# Altium PCB Shuttler_AFE.PcbDoc (part 2 of 5)
Units mil, origin at the board's own origin, x right, y up, seen from the top; angles counter-clockwise.
Board outline 3291.94 x 4295.88 mil, 4 copper layers (TOP, L2, L3, BOTTOM), stack 65.354 mil thick; 521 components, 367 nets, 1536 pads, 871 vias.
Unrouted connection lines stored in the file: 1.
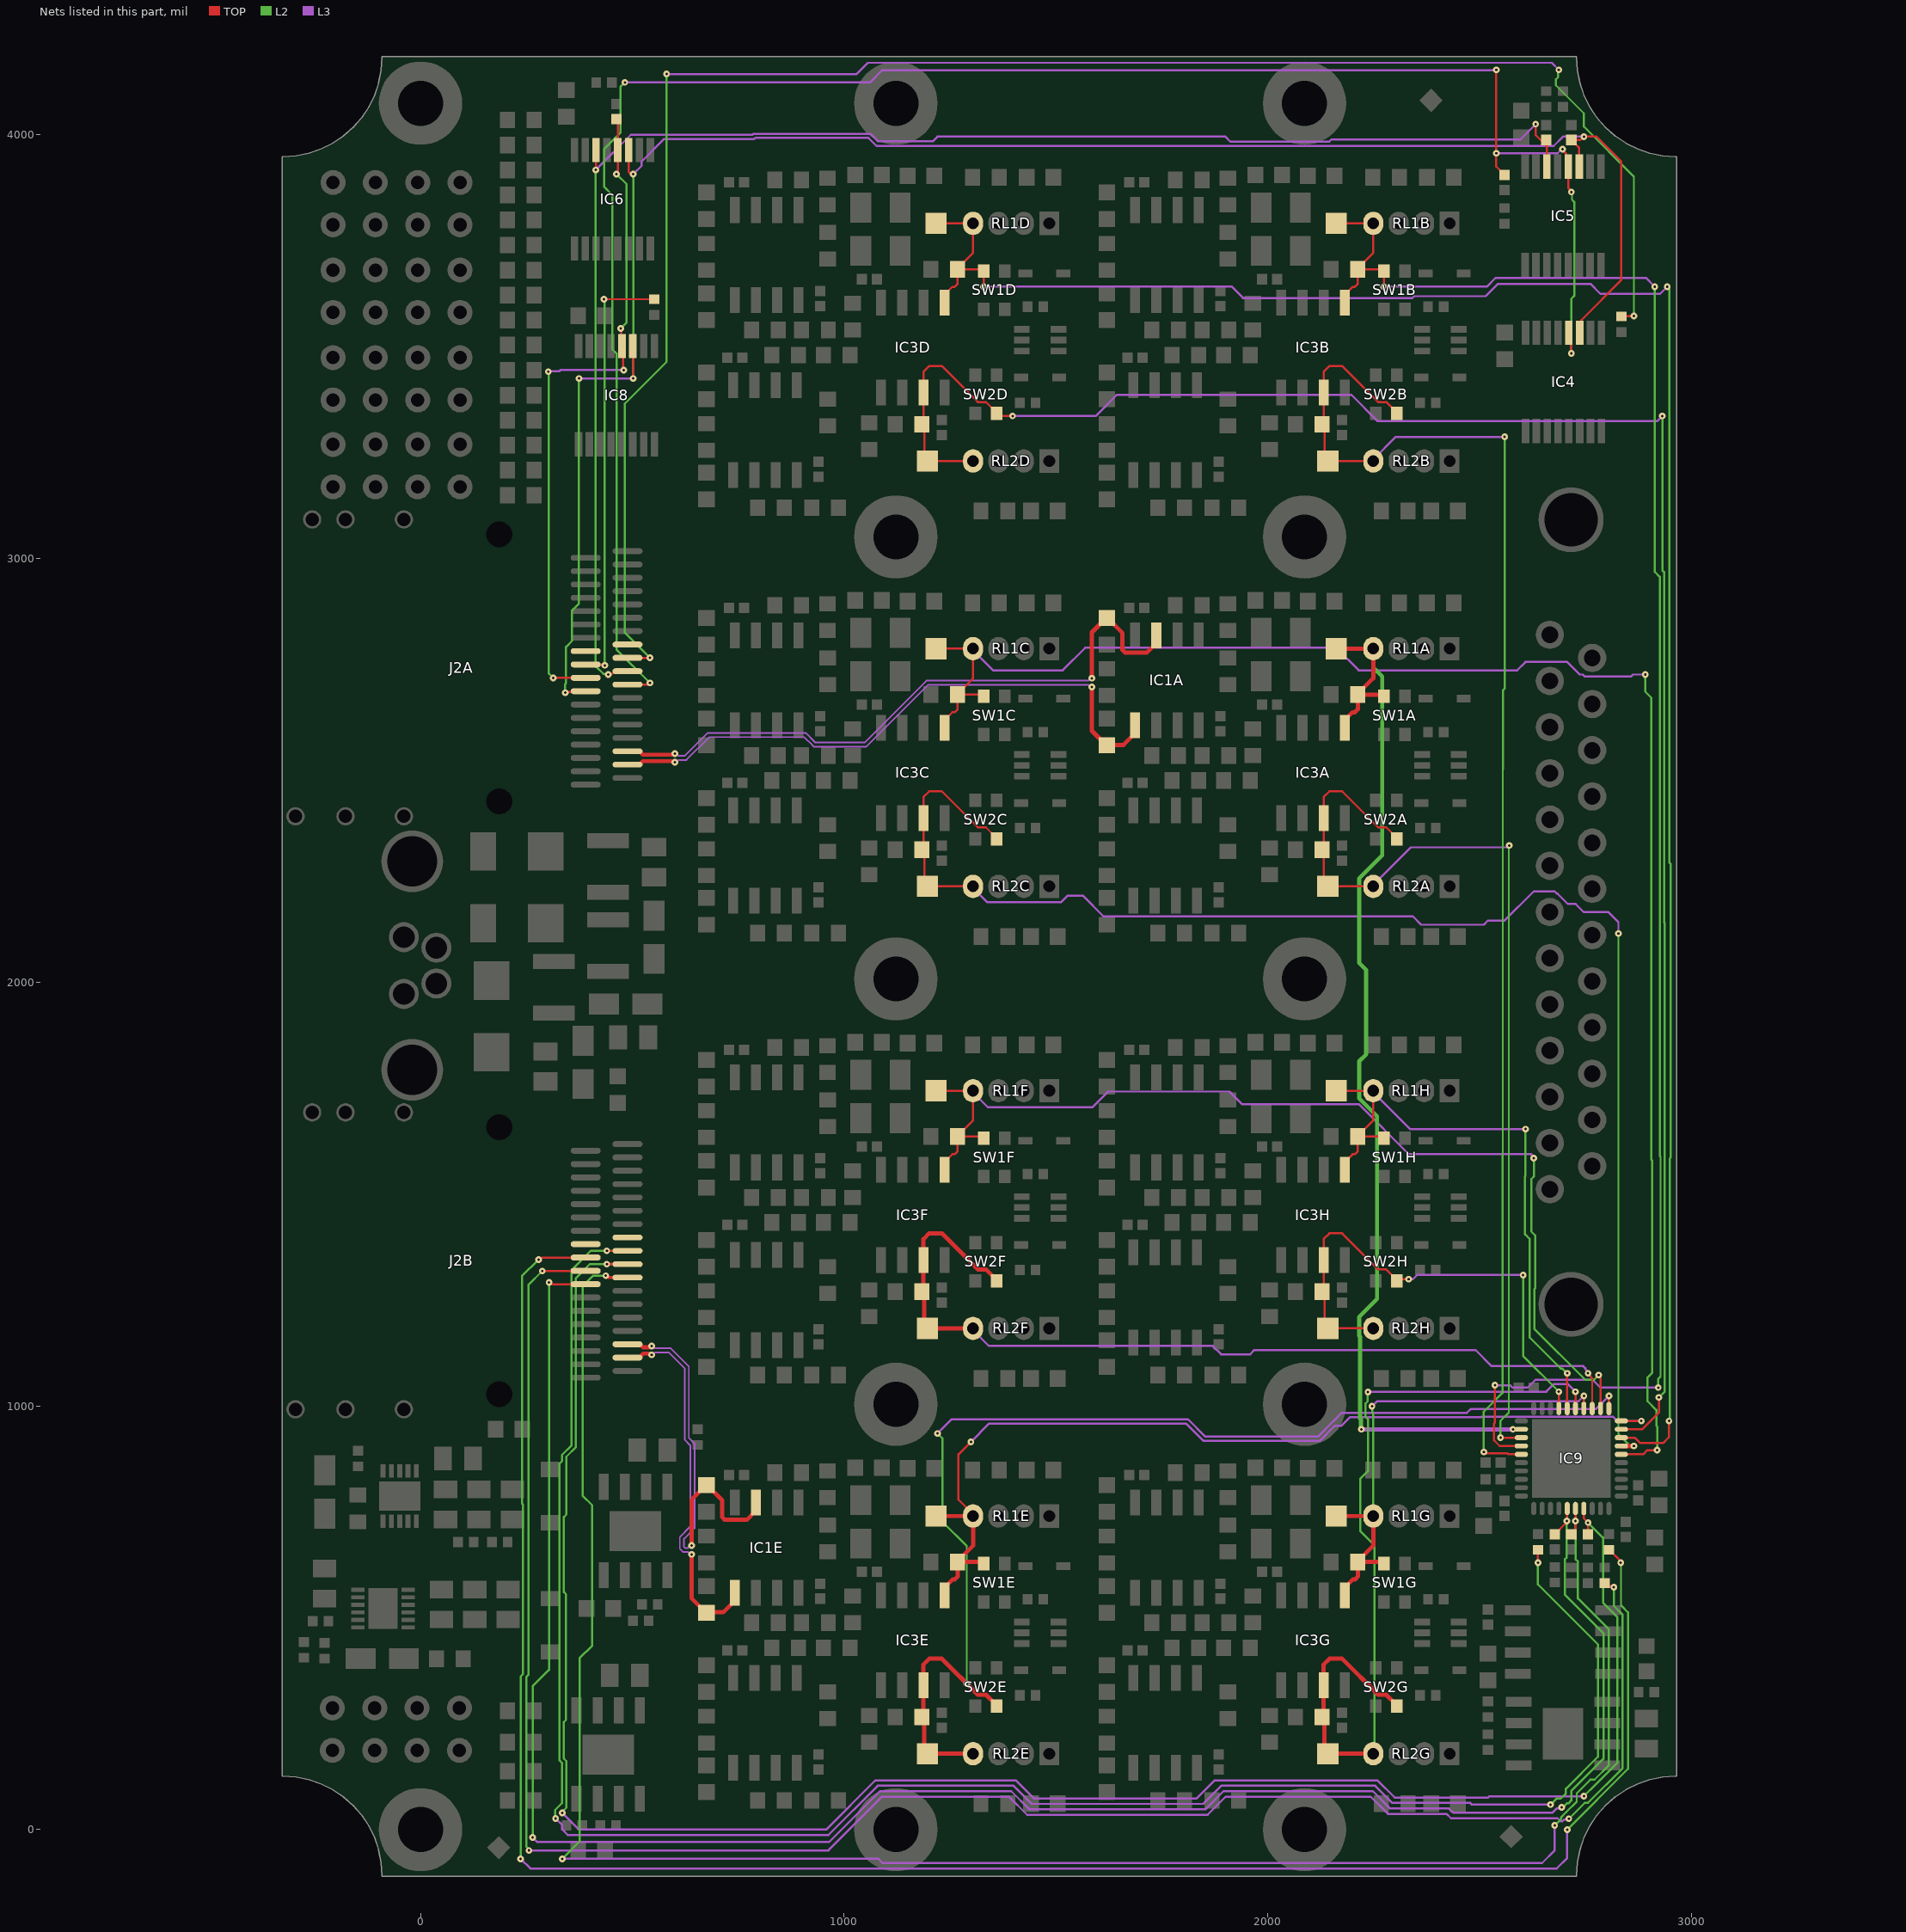
[diagram p4: the nets of this part, all layers, seen from the top]

## Components (designator, comment, footprint, x,y, rotation, side; value= is the part's Value field where it differs from the comment) (continued)
SW1F "AQY221N3M" PANASONIC_AQY22(SON) 1354.33,1586.61 r90 top (schematic designator SW1)
SW1G "AQY221N3M" PANASONIC_AQY22(SON) 2299.21,582.68 r90 top (schematic designator SW1)
SW1H "AQY221N3M" PANASONIC_AQY22(SON) 2299.21,1586.61 r90 top (schematic designator SW1)
SW2A "AQY221N3M" PANASONIC_AQY22(SON) 2279.53,2383.86 r270 top (schematic designator SW2)
SW2B "AQY221N3M" PANASONIC_AQY22(SON) 2279.53,3387.8 r270 top (schematic designator SW2)
SW2C "AQY221N3M" PANASONIC_AQY22(SON) 1334.65,2383.86 r270 top (schematic designator SW2)
SW2D "AQY221N3M" PANASONIC_AQY22(SON) 1334.65,3387.8 r270 top (schematic designator SW2)
SW2E "AQY221N3M" PANASONIC_AQY22(SON) 1334.65,336.61 r270 top (schematic designator SW2)
SW2F "AQY221N3M" PANASONIC_AQY22(SON) 1334.65,1340.55 r270 top (schematic designator SW2)
SW2G "AQY221N3M" PANASONIC_AQY22(SON) 2279.53,336.61 r270 top (schematic designator SW2)
SW2H "AQY221N3M" PANASONIC_AQY22(SON) 2279.53,1340.55 r270 top (schematic designator SW2)
T1A "PMGD280UN" SOT65P210X110-6N 2407.48,2511.81 r180 top (schematic designator T1)
T1B "PMGD280UN" SOT65P210X110-6N 2407.48,3515.75 r180 top (schematic designator T1)
T1C "PMGD280UN" SOT65P210X110-6N 1462.6,2511.81 r180 top (schematic designator T1)
T1D "PMGD280UN" SOT65P210X110-6N 1462.6,3515.75 r180 top (schematic designator T1)
T1E "PMGD280UN" SOT65P210X110-6N 1462.6,464.57 r180 top (schematic designator T1)
T1F "PMGD280UN" SOT65P210X110-6N 1462.6,1468.5 r180 top (schematic designator T1)
T1G "PMGD280UN" SOT65P210X110-6N 2407.48,464.57 r180 top (schematic designator T1)
T1H "PMGD280UN" SOT65P210X110-6N 2407.48,1468.5 r180 top (schematic designator T1)
TP1A "Test Point" TPS127 2161.42,2787.4 r90 top (schematic designator TP1)
TP1B "Test Point" TPS127 2161.42,3791.34 r90 top (schematic designator TP1)
TP1C "Test Point" TPS127 1216.54,2787.4 r90 top (schematic designator TP1)
TP1D "Test Point" TPS127 1216.54,3791.34 r90 top (schematic designator TP1)
TP1E "Test Point" TPS127 1216.54,740.16 r90 top (schematic designator TP1)
TP1F "Test Point" TPS127 1216.54,1744.09 r90 top (schematic designator TP1)
TP1G "Test Point" TPS127 2161.42,740.16 r90 top (schematic designator TP1)
TP1H "Test Point" TPS127 2161.42,1744.09 r90 top (schematic designator TP1)
TP2A "Test Point" TPS127 2141.73,2226.38 r90 top (schematic designator TP2)
TP2B "Test Point" TPS127 2141.73,3230.31 r90 top (schematic designator TP2)
TP2C "Test Point" TPS127 1196.85,2226.38 r90 top (schematic designator TP2)
TP2D "Test Point" TPS127 1196.85,3230.31 r90 top (schematic designator TP2)
TP2E "Test Point" TPS127 1196.85,179.13 r90 top (schematic designator TP2)
TP2F "Test Point" TPS127 1196.85,1183.07 r90 top (schematic designator TP2)
TP2G "Test Point" TPS127 2141.73,179.13 r90 top (schematic designator TP2)
TP2H "Test Point" TPS127 2141.73,1183.07 r90 top (schematic designator TP2)

## Footprints (in the part's own frame and the unit in brackets; to place one, negate y for a bottom-side part, rotate by r counter-clockwise, add the part's x,y. Pads: shape width x height; smd on the part's side, far side on the other; paste and mask are expansions set on the pad)
AMPHENOL_M8AS-04PMMR-SF8001 [mm] "4 Contacts, IP68 Sealing Level, Right Angled M8 Circular Header"
  round 1.8 hole 1.3: 1(0.5,-1.7) 2(-1.45,-1.075) 3(-1.45,1.075) 4(0.5,1.7)
  round 3.7 hole 3: SHIELD(0,6.25) SHIELD(0,-6.25)
  silkscreen extent 1.04,-6.4 20.2,6.4, body extent -1.95,-6.4 20.2,6.4, height 12.6
CAPC1005X55N [mm] "Capacitor, Non-Polarized, Chip; 1.00mm L X 0.50mm W X 0.70mm H, IPC Medium Density"
  rect 0.62x0.62 smd: 1(-0.45,0) 2(0.45,0)
  body extent -0.52,-0.27 0.53,0.28, height 0.55
CAPC1608X87N [mm] "Chip Capacitor, Body 1.6x0.8mm IPC Medium Density"
  rect 0.95x1 smd: 1(-0.8,0) 2(0.8,0)
  body extent -0.87,-0.47 0.88,0.48, height 0.87
CAPC1608X90N [mm] "Chip Capacitor, Body 1.6x0.8mm IPC Medium Density"
  rect 0.95x0.95 smd: 1(-0.75,0) 2(0.75,0)
  body extent -0.85,-0.45 0.85,0.45, height 0.9
CAPC2012X95N [mm] "Chip Capacitor, Body 2.0x1.25mm, IPC Medium Density"
  rect 1.1x1.45 smd: 1(-0.9,0) 2(0.9,0)
  silkscreen extent 0,-0.58 0,0.58, body extent -1.05,-0.67 1.05,0.68, height 0.95
CAPC2012X135N [mm] "Chip Capacitor, Body 2.0x1.25mm, IPC Medium Density"
  rect 1.05x1.4 smd: 1(-0.9,0) 2(0.9,0)
  silkscreen extent 0,-0.58 0,0.58, body extent -1.05,-0.67 1.05,0.68, height 1.25
CAPMP3216X180N [mm] "Capacitor, Polarized, Molded  Body 3.2x1.6mm, IPC Medium Density"
  rect 1.8x1.25 smd: 1(-1.3,0) 2(1.3,0)
  silkscreen extent -2.4,-0.7 0,1.25, body extent -1.7,-0.9 1.7,0.9, height 1.6
DIOM5226X262N [mm] "DO-214-AC/SMA Diode, Molded Body; 5.21mm L X 2.605mm W X 2.62mm H, IPC Medium Density"
  rect 2.3x1.55 smd: 1(-2.15,0) 2(2.15,0)
  silkscreen extent -3.52,-1.3 2.6,1.45, body extent -2.6,-1.3 2.6,1.31, height 2.62
DIOM5336X265N [mm] "DO-214-AA/SMB Diode, Molded Body; 5.34mm L X 3.625mm W X 2.65mm H, IPC Medium Density"
  rect 2.3x2.15 smd: 1(-2.15,0) 2(2.15,0)
  silkscreen extent -3.92,-1.8 2.65,1.8, body extent -2.7,-1.95 2.7,1.95, height 2.4
FIDUCIAL_TOP_S100-200 [mm] "Square Fiducial Target, Top Layer, 1.0mm, Top Solder 2.0mm, Keepout =2.0mm"
  rect 1x1 smd rot 45 paste-0.51 mask+0.5: 1(0,0)
  TOP keep-out region: 1.414,0 0,-1.414 -1.414,0 0,1.414
IND_MURATA_LQW32FT_0H [mm] "SMT inductor 1210, Body Width 2.50mm Body Lenght 3.20mm Height 2.50mm"
  rect 0.9x2.5 smd: 1(-1.55,0) 2(1.55,0)
  silkscreen extent -0.75,-1.25 0.75,1.25, body extent -1.6,-1.25 1.6,1.25, height 2.5
INDC1608X95N [mm] "Chip Inductor, 2-Leads, EIA 0603, Metric 1608, Body 1.6x0.8mm, IPC Medium Density"
  rect 0.95x1 smd: 1(-0.8,0) 2(0.8,0)
  body extent -0.87,-0.47 0.88,0.48, height 0.95
LED_BIVAR_H485CGDL [mm] "Quad-Level 2mm Green, PCB Edge Mounting  BIVAR H485CGDL"
  round 1.5 hole 0.8: 1(-3.81,-1.27) 2(-3.81,1.27) 3(-1.27,-1.27) 4(-1.27,1.27) 5(1.27,-1.27) 6(1.27,1.27) 7(3.81,-1.27) 8(3.81,1.27)
  silkscreen extent -9.99,-2.55 4.71,2.55, body extent -9.99,-2.55 4.71,2.55, height 11.3
MOLEX_75783-0107#1 [mm] "36 Circuit, Right Angle , Internal Assembly, iPass™ I/O Surface Mount Receptacle with Left Key Shell"
  oval 0.35x1.8 smd: A1(7,-1.255) A2(6.2,-1.255) A3(5.4,-1.255) A4(4.6,-1.255) A5(3.8,-1.255) A6(3,-1.255) A7(2.2,-1.255) A8(1.4,-1.255) A9(0.6,-1.255) A10(-0.2,-1.255) A11(-1,-1.255) A12(-1.8,-1.255) A13(-2.6,-1.255) A14(-3.4,-1.255) A15(-4.2,-1.255) A16(-5,-1.255) A17(-5.8,-1.255) A18(-6.6,-1.255) B1(6.6,1.255) B2(5.8,1.255) B3(5,1.255) B4(4.2,1.255) B5(3.4,1.255) B6(2.6,1.255) B7(1.8,1.255) B8(1,1.255) B9(0.2,1.255) B10(-0.6,1.255) B11(-1.4,1.255) B12(-2.2,1.255) B13(-3,1.255) B14(-3.8,1.255) B15(-4.6,1.255) B16(-5.4,1.255) B17(-6.2,1.255) B18(-7,1.255)
  round 0.5 hole 1.55 unplated mask+0.525: MTG1(-8,-6.435) MTG2(8,-6.435)
  round 1.1 hole 0.8: SHELL1(-8.9,-12.155) SHELL2(-8.9,-15.655) SHELL3(-8.9,-17.655) SHELL4(8.9,-12.155) SHELL5(8.9,-15.655) SHELL6(8.9,-18.655)
  TOP keep-out lines w0.1: 9.9,-13.635 9.9,-23.235 -9.9,-23.235 -9.9,-9.835 9.593,-9.835
  silkscreen extent -9.17,-20.41 9.18,3.03, body extent -9.17,-20.41 9.18,2.17, height 8.62
MOLEX_75783-0107#2 [mm] "36 Circuit, Right Angle , Internal Assembly, iPass™ I/O Surface Mount Receptacle with Left Key Shell"
  oval 0.35x1.8 smd: A1(7,-1.255) A2(6.2,-1.255) A3(5.4,-1.255) A4(4.6,-1.255) A5(3.8,-1.255) A6(3,-1.255) A7(2.2,-1.255) A8(1.4,-1.255) A9(0.6,-1.255) A10(-0.2,-1.255) A11(-1,-1.255) A12(-1.8,-1.255) A13(-2.6,-1.255) A14(-3.4,-1.255) A15(-4.2,-1.255) A16(-5,-1.255) A17(-5.8,-1.255) A18(-6.6,-1.255) B1(6.6,1.255) B2(5.8,1.255) B3(5,1.255) B4(4.2,1.255) B5(3.4,1.255) B6(2.6,1.255) B7(1.8,1.255) B8(1,1.255) B9(0.2,1.255) B10(-0.6,1.255) B11(-1.4,1.255) B12(-2.2,1.255) B13(-3,1.255) B14(-3.8,1.255) B15(-4.6,1.255) B16(-5.4,1.255) B17(-6.2,1.255) B18(-7,1.255)
  round 0.5 hole 1.55 unplated mask+0.525: MTG1(-8,-6.435) MTG2(8,-6.435)
  round 1.1 hole 0.8: SHELL1(-8.9,-12.155) SHELL2(-8.9,-15.655) SHELL3(-8.9,-17.655) SHELL4(8.9,-12.155) SHELL5(8.9,-15.655) SHELL6(8.9,-18.655)
  TOP keep-out lines w0.1: -9.9,-13.356 -9.9,-23.235 9.9,-23.235 9.9,-9.835 -9.142,-9.835
  silkscreen extent -9.17,-20.41 9.18,3.03, body extent -9.17,-20.41 9.18,2.17, height 8.62
MTG270_500 [mm] "Plated Through Hole: Hole Dia.=2.7mm Pad Dia.=5.0mm"
  round 5 / inner round 3.5 / far side round 5 hole 2.7: 1(0,0)
PANASONIC_AQY22(SON) [mm] "PANASONIC Serie AQY22(SON)  Small Outline No Lead, 4 pins, 2.2x2.95mm"
  rect 0.8x0.7 smd: 1(-1.15,0.635) 2(-1.15,-0.635) 3(1.15,-0.635) 4(1.15,0.635)
  silkscreen extent -2.35,-1.1 0.4,1.1, body extent -1.47,-1.1 1.48,1.1, height 1.4
QFN50P600X600X100-41N-S470 [mm] "QFN, 0.50mm Pitch, Square 40 pin, 6.00mm L X 6.00mm W X 1.00mm H body (w/thermal tab 4.7mm x 4.7mm), IPC Medium Density"
  oval 0.8x0.3 smd: 1(-3,2.25) 2(-3,1.75) 3(-3,1.25) 4(-3,0.75) 5(-3,0.25) 6(-3,-0.25) 7(-3,-0.75) 8(-3,-1.25) 9(-3,-1.75) 10(-3,-2.25) 21(3,-2.25) 22(3,-1.75) 23(3,-1.25) 24(3,-0.75) 25(3,-0.25) 26(3,0.25) 27(3,0.75) 28(3,1.25) 29(3,1.75) 30(3,2.25)
  oval 0.3x0.8 smd: 11(-2.25,-3) 12(-1.75,-3) 13(-1.25,-3) 14(-0.75,-3) 15(-0.25,-3) 16(0.25,-3) 17(0.75,-3) 18(1.25,-3) 19(1.75,-3) 20(2.25,-3) 31(2.25,3) 32(1.75,3) 33(1.25,3) 34(0.75,3) 35(0.25,3) 36(-0.25,3) 37(-0.75,3) 38(-1.25,3) 39(-1.75,3) 40(-2.25,3)
  rect 4.7x4.7 smd: 41(0,0)
  silkscreen extent -4.12,-3 3,3, body extent -3,-3 3,3, height 1
REL_PICKERING_116-1-A [mm] "4 Leads, Body 6.86 x 3.81mm, 1Form A SIL Reed Relay, 116 Series"
  rect 1.2x1.4 hole 0.7: 1(-2.286,0)
  oval 1.2x1.4 hole 0.7: 2(-0.762,0) 3(0.762,0) 4(2.286,0)
  silkscreen extent -3.43,-1.91 3.43,1.91, body extent -3.43,-1.91 3.43,1.91, height 12.6
RESC1005X40N [mm] "Chip Resistor, EIA 0402, Metric 1005, Body 1.0x0.5mm, IPC Medium Density"
  rect 0.58x0.62 smd: 1(-0.47,0) 2(0.47,0)
  body extent -0.52,-0.27 0.53,0.28, height 0.4
RESC1608X55N [mm] "Chip Resistor, EIA 0603, Metric 1608, Body 1.6x0.8mm, IPC Medium Density"
  rect 0.9x1 smd: 1(-0.8,0) 2(0.8,0)
  body extent -0.87,-0.47 0.88,0.48, height 0.55
SODFL2512X100N [mm] "SODFL Diode; 1.70mm W X 1.25mm L X 1.00mm H body, IPC Medium Density"
  rect 0.84x0.46 smd: 1(-1.14,0) 2(1.14,0)
  silkscreen extent -1.48,-0.65 0.85,0.85, body extent -1.35,-0.65 1.35,0.65, height 1
SODFL3517X110N [mm] "SODFL Diode (SOD123W); 2.60mm W X 1.70mm L X 1.10mm H body, IPC Medium Density"
  rect 0.92x1.08 smd: 1(-1.6,0) 2(1.6,0)
  silkscreen extent -1.93,-0.85 0.75,1.16, body extent -1.85,-0.95 1.85,0.95, height 1.1
SOIC127P600X175-8N [mm] "SOIC 8, Pitch 1.27mm - Body 4x5mm, IPC Medium Density"
  rect 1.55x0.6 smd: 1(-2.7,1.905) 2(-2.7,0.635) 3(-2.7,-0.635) 4(-2.7,-1.905) 5(2.7,-1.905) 6(2.7,-0.635) 7(2.7,0.635) 8(2.7,1.905)
  silkscreen extent -2.52,-2.5 1.55,2.88, body extent -3.1,-2.5 3.1,2.5, height 1.75
SOIC127P600X175-9N-R241X309 [mm] "SOIC 8, Pitch 1.27mm - Body 3.9x4.9mm, (w/thermal tab 2.41mm X 3.098mm), IPC Medium Density"
  rect 1.55x0.6 smd: 1(-2.65,1.905) 2(-2.65,0.635) 3(-2.65,-0.635) 4(-2.65,-1.905) 5(2.65,-1.905) 6(2.65,-0.635) 7(2.65,0.635) 8(2.65,1.905)
  rect 2.41x3.098 smd: 9(0,0)
  silkscreen extent -3.27,-2.45 1.5,2.87, body extent -3.1,-2.5 3.1,2.5, height 1.75
SON45P300X300X80-13N-R175X248 [mm] "SON, 0.45mm Pitch; 12 Pin, 3.00mm W X 3.00mm L X 0.80mm H Body (w/Thermal tab 1.75 x 2.48mm), IPC Medium Density"
  rect 0.8x0.25 smd: 1(-1.5,1.125) 2(-1.5,0.675) 3(-1.5,0.225) 4(-1.5,-0.225) 5(-1.5,-0.675) 6(-1.5,-1.125) 7(1.5,-1.125) 8(1.5,-0.675) 9(1.5,-0.225) 10(1.5,0.225) 11(1.5,0.675) 12(1.5,1.125)
  rect 1.75x2.45 smd paste-0.37: 13(0,0)
  silkscreen extent -2.52,1 -2.27,1.25, body extent -1.5,-1.5 1.5,1.5, height 0.8
SON50P300X300X80-11N-R175X248 [mm] "SON, 0.50mm Pitch; 10-pin, 3.00mm W  X 3.00mm L X 0.80mm H Body, (w/thermal tab 1.75 X 2.48 mm), IPC Medium Density"
  rect 0.8x0.3 smd: 1(-1.5,1) 2(-1.5,0.5) 3(-1.5,0) 4(-1.5,-0.5) 5(-1.5,-1) 6(1.5,-1) 7(1.5,-0.5) 8(1.5,0) 9(1.5,0.5) 10(1.5,1)
  rect 1.75x2.48 smd: 11(0,0)
  silkscreen extent -2.52,0.88 -2.28,1.13, body extent -1.5,-1.5 1.5,1.5, height 0.8
SOP65P640X120-16N [mm] "SOP, 0.65mm pitch; 16 pin, 4.40mm W X 5.00mm L X 1.20mm H body IPC Medium Density"
  rect 1.45x0.45 smd: 1(-2.95,2.275) 2(-2.95,1.625) 3(-2.95,0.975) 4(-2.95,0.325) 5(-2.95,-0.325) 6(-2.95,-0.975) 7(-2.95,-1.625) 8(-2.95,-2.275) 9(2.95,-2.275) 10(2.95,-1.625) 11(2.95,-0.975) 12(2.95,-0.325) 13(2.95,0.325) 14(2.95,0.975) 15(2.95,1.625) 16(2.95,2.275)
  silkscreen extent -3.07,-2.55 1.85,3.17, body extent -3.12,-2.55 3.12,2.55, height 1.2
SOT65P210X110-6N [mm] "SOT363, SC70-6, SOT, 0.65mm Pitch, 6 Pin, 1.25mm W X 2.00mm L X 1.10mm H, IPC Medium Density"
  rect 0.95x0.4 smd: 1(-1.1,0.65) 2(-1.1,0) 3(-1.1,-0.65) 4(1.1,-0.65) 5(1.1,0) 6(1.1,0.65)
  silkscreen extent -1.43,-1 0.3,1.47, body extent -1.2,-1.1 1.2,1.1, height 1.1
TPS127 [mil] "1.27 x  1.27mm SMD Test Point Area"
  rect 50x50 smd paste-50: 1(0,0)
  silkscreen extent -37,-37 37,37
TYCO_3-1634586-2 [mm] "Right Angle 25 Female Contacts D-SUB Connector With Boardlock and 4-40 UNC Screwlocks"
  round 1.7 hole 1: 1(-16.62,-1.27) 2(-13.85,-1.27) 3(-11.08,-1.27) 4(-8.31,-1.27) 5(-5.54,-1.27) 6(-2.77,-1.27) 7(0,-1.27) 8(2.77,-1.27) 9(5.54,-1.27) 10(8.31,-1.27) 11(11.08,-1.27) 12(13.85,-1.27) 13(16.62,-1.27) 14(-15.235,1.27) 15(-12.465,1.27) 16(-9.695,1.27) 17(-6.925,1.27) 18(-4.155,1.27) 19(-1.385,1.27) 20(1.385,1.27) 21(4.155,1.27) 22(6.925,1.27) 23(9.695,1.27) 24(12.465,1.27) 25(15.235,1.27)
  round 3.9 hole 3.2: 26(-23.52,0) 27(23.52,0)
  silkscreen extent -26.55,-4.55 26.55,17.6, body extent -26.55,-3.28 26.55,17.6, height 13.57

## Part data
B2 B3 B4 B5 B6 B7 B9 B10 B11 B14 B15 B16: library part PLATED_HOLE2.7_PAD5.0, "Single Terminal Socket", Author="CERN DEM JMW", Component Type="Standard (No BOM)", ComponentHeight=0mm, CreateDate=27.09.2011, Family="Plated Hole", HelpURL=Undefined, LatestRevisionDate=27.09.2011, Mounted=No, PackageDescription="Plated Through Hole: Hole Dia.=2.7mm Pad Dia.=5.0mm", Part Description="Plated Through Hole: Hole Dia.=2.7mm Pad Dia.=5.0mm", Part Number=PLATED_HOLE2.7_PAD5.0, Pin Count=1, Sense=No, SMD=No, Socket=No, Status=None
C1A C1B C1C C1D C1E C1F C1G C1H C7A C7B C7C C7D C7E C7F C7G C7H: library part CTE3216-18_10UF_10V_10%_LESR1800, "Polarised capacitor", Case=A, Manufacturer=GENERIC, Manufacturer1 ComponentHeight=1.8mm, Manufacturer1 Example=AVX, Manufacturer1 Part Number=TPSA106K010R1800, Tolerance=±10%, Voltage=10V, Author="CERN DEM JLC", Component Type=Standard, CreateDate=05.05.2008, HelpURL=\\cern.ch\dfs\Applications\Altium\Datasheets\CTE-LESR_AVX_TPS.pdf, LatestRevisionDate=20.01.2009, Manufacturer Part Number=CTE3216-18_10UF_10V_10%_LESR1800, Mounted=Yes, Part Description="Low ESR 1R8 Solid Tantalum Chip Capacitor", Part Number=CTE3216-18_10UF_10V_10%_LESR1800, Pin Count=2, Sense=No, SMD=Yes, Socket=No, Status=Preferred
C2A C2B C2C C2D C2E C2F C2G C2H C3A C3B C3C C3D C3E C3F C3G C3H C6A C6B C6C C6D C6E C6F C6G C6H C9A C9B C9C C9D C9E C9F C9G C9H: library part CC0402_10NF_16V_10%_X7R, "Non-polarised capacitor", Case=0402, Manufacturer=GENERIC, Manufacturer1 ComponentHeight=0.55mm, Manufacturer1 Example=PHYCOMP, Manufacturer1 Part Number=223878715636, Tolerance=±10%, Voltage=16V, Author="CERN DEM JLC", Component Type=Standard, CreateDate=03.12.2007, HelpURL=\\cern.ch\dfs\Applications\Altium\Datasheets\CC0402_X7R_PHYCOMP.pdf, LatestRevisionDate=03.12.2007, Manufacturer Part Number=CC0402_10NF_16V_10%_X7R, Mounted=Yes, Part Description="SMD Multilayer Chip Ceramic Capacitor", Part Number=CC0402_10NF_16V_10%_X7R, Pin Count=2, Sense=No, SMD=Yes, Socket=No, Status="Not Recommended", TC=X7R
C4A C4B C4C C4D C4E C4F C4G C4H C8A C8B C8C C8D C8E C8F C8G C8H C12 C14 C15 C17 C18 C20 C22: library part CC0402_100NF_16V_10%_X5R, "Non-polarised capacitor", Case=0402, Manufacturer=GENERIC, Manufacturer1 ComponentHeight=0.55mm, Manufacturer1 Example=MURATA, Manufacturer1 Part Number=GRM155R61C104KA88D, Tolerance=±10%, Voltage=16V, Author="CERN DEM JLC", Component Type=Standard, CreateDate=10.12.2013, HelpURL=\\cern.ch\dfs\Applications\Altium\Datasheets\CC0402_X5R_MURATA_GRM.pdf, LatestRevisionDate=10.12.2013, Manufacturer Part Number=CC0402_100NF_16V_10%_X5R, Mounted=Yes, Part Description="SMD Multilayer Chip Ceramic Capacitor", Part Number=CC0402_100NF_16V_10%_X5R, Pin Count=2, Sense=No, SMD=Yes, Socket=No, Status=None, TC=X5R
C5A C5B C5C C5D C5E C5F C5G C5H C10A C10B C10C C10D C10E C10F C10G C10H: library part CC0603_47PF_50V_5%_NP0, "Non-polarised capacitor", Case=0603, Manufacturer=GENERIC, Manufacturer1 ComponentHeight=0.87mm, Manufacturer1 Example=PHYCOMP, Manufacturer1 Part Number=223886715479, Tolerance=±5%, Voltage=50V, Author="CERN DEM JLC", Component Type=Standard, CreateDate=03.12.2007, HelpURL=\\cern.ch\dfs\Applications\Altium\Datasheets\CC0603_NP0_PHYCOMP.pdf, LatestRevisionDate=03.12.2007, Manufacturer Part Number=CC0603_47PF_50V_5%_NP0, Mounted=Yes, Part Description="SMD Multilayer Chip Ceramic Capacitor", Part Number=CC0603_47PF_50V_5%_NP0, Pin Count=2, Sense=No, SMD=Yes, Socket=No, Status=Preferred, TC=C0G/NP0
C11 C23 C24 C27 C29 C30 C31: library part CC0402_100PF_50V_5%_C0G, "Non-polarised capacitor", Case=0402, Manufacturer=GENERIC, Manufacturer1 ComponentHeight=0.55mm, Manufacturer1 Example=KEMET, Manufacturer1 Part Number=C0402C101J5GACTU, Tolerance=±5%, Voltage=50V, Author="CERN DEM JLC", Component Type=Standard, CreateDate=03.12.2007, HelpURL="\\cern.ch\dfs\Applications\Altium\Datasheets\CC0402_C0G_KEMET_(Commercial Grade).pdf", LatestRevisionDate=22.04.2015, Manufacturer Part Number=CC0402_100PF_50V_5%_C0G, Mounted=Yes, Part Description="SMD Multilayer Chip Ceramic Capacitor", Part Number=CC0402_100PF_50V_5%_C0G, Pin Count=2, Sense=No, SMD=Yes, Socket=No, Status=Preferred, TC=C0G/NP0
C13: library part CC0603_4.7UF_25V_10%_X5R, "Non-polarised capacitor", Case=0603, Manufacturer=GENERIC, Manufacturer1 ComponentHeight=0.95mm, Manufacturer1 Example=MURATA, Manufacturer1 Part Number=GRM188R61E475KE11D, Tolerance=±10%, Voltage=25V, Author="CERN DEM JLC", Component Type=Standard, CreateDate=10.11.2014, HelpURL=\\cern.ch\dfs\Applications\Altium\Datasheets\CC0603_MURATA_GRM188R61E475KE11D.pdf, LatestRevisionDate=10.11.2014, Manufacturer Part Number=CC0603_4.7UF_25V_10%_X5R, Mounted=Yes, Part Description="SMD Multilayer Chip Ceramic Capacitor", Part Number=CC0603_4.7UF_25V_10%_X5R, Pin Count=2, Sense=No, SMD=Yes, Socket=No, Status=None, TC=X5R
C16 C19 C21 C25 C26 C28 C42: library part CC0603_1UF_16V_10%_X7R, "Non-polarised capacitor", Case=0603, Manufacturer=GENERIC, Manufacturer1 ComponentHeight=0.9mm, Manufacturer1 Example="YAGEO PHYCOMP", Manufacturer1 Part Number=223878615663, Tolerance=±10%, Voltage=16V, Author="CERN DEM JLC", Component Type=Standard, CreateDate=03.12.2007, HelpURL=\\cern.ch\dfs\Applications\Altium\Datasheets\CC0603_X7R_PHYCOMP.pdf, LatestRevisionDate=17.04.2015, Manufacturer Part Number=CC0603_1UF_16V_10%_X7R, Mounted=Yes, Part Description="SMD Multilayer Chip Ceramic Capacitor", Part Number=CC0603_1UF_16V_10%_X7R, Pin Count=2, Sense=No, SMD=Yes, Socket=No, Status=None, TC=X7R
C32 C36 C50: library part CC0603_1UF_25V_10%_X7R, "Non-polarised capacitor", Case=0603, Manufacturer=GENERIC, Manufacturer1 ComponentHeight=0.9mm, Manufacturer1 Example=MURATA, Manufacturer1 Part Number=GRM188R71E105KA12D, Tolerance=±10%, Voltage=25V, Author="CERN DEM JLC", Component Type=Standard, CreateDate=18/01/2011, HelpURL=\\cern.ch\dfs\Applications\Altium\Datasheets\CC0603_X7R_MURATA.pdf, LatestRevisionDate=18/01/2011, Manufacturer Part Number=CC0603_1UF_25V_10%_X7R, Mounted=Yes, Part Description="SMD Multilayer Chip Ceramic Capacitor", Part Number=CC0603_1UF_25V_10%_X7R, Pin Count=2, Sense=No, SMD=Yes, Socket=No, Status=None, TC=X7R
C33 C37 C51: library part CC0805_10UF_16V_10%_X5R, "Non-polarised capacitor", Case=0805, Manufacturer=GENERIC, Manufacturer1 ComponentHeight=1.4mm, Manufacturer1 Example=KEMET, Manufacturer1 Part Number=C0805C106K4PAC, Tolerance=±10%, Voltage=16V, Author="CERN DEM JLC", Component Type=Standard, CreateDate=03.12.2007, HelpURL=\\cern.ch\dfs\Applications\Altium\Datasheets\CC1206_X5R_KEMET.pdf, LatestRevisionDate=03.12.2007, Manufacturer Part Number=CC0805_10UF_16V_10%_X5R, Mounted=Yes, Part Description="SMD Multilayer Chip Ceramic Capacitor", Part Number=CC0805_10UF_16V_10%_X5R, Pin Count=2, Sense=No, SMD=Yes, Socket=No, Status=Preferred, TC=X5R
C34A C34B C34C C34D C34E C34F C34G C34H C35A C35B C35C C35D C35E C35F C35G C35H C57A C57B C57C C57D C57E C57F C57G C57H C58A C58B C58C C58D C58E C58F C58G C58H: library part CC0603_1.5NF_50V_5%_NP0, "Non-polarised capacitor", Case=0603, Manufacturer=GENERIC, Manufacturer1 ComponentHeight=0.9mm, Manufacturer1 Example=MURATA, Manufacturer1 Part Number=GRM1885C1H152JA01D, Tolerance=±5%, Voltage=50V, Author="CERN DEM JLC", Component Type=Standard, CreateDate=08.02.2011, HelpURL=\\cern.ch\dfs\Applications\Altium\Datasheets\CC0603_NP0_MURATA.pdf, LatestRevisionDate=08.02.2011, Manufacturer Part Number=CC0603_1.5NF_50V_5%_NP0, Mounted=Yes, Part Description="SMD Multilayer Chip Ceramic Capacitor", Part Number=CC0603_1.5NF_50V_5%_NP0, Pin Count=2, Sense=No, SMD=Yes, Socket=No, Status=None, TC=C0G/NP0
C38 C40 C47: library part CC0805_10UF_25V_10%_X5R, "Non-polarised capacitor", Case=0805, Manufacturer=GENERIC, Manufacturer1 ComponentHeight=0.95mm, Manufacturer1 Example=MURATA, Manufacturer1 Part Number=GRM219R61E106KA12D, Tolerance=±10%, Voltage=25V, Author="CERN DEM JLC", Component Type=Standard, CreateDate=25.10.2012, HelpURL=\\cern.ch\dfs\Applications\Altium\Datasheets\CC0805_X5R_MURATA_GRM.pdf, LatestRevisionDate=06.09.2016, Manufacturer Part Number=CC0805_10UF_25V_10%_X5R, Mounted=Yes, Part Description="SMD Multilayer Chip Ceramic Capacitor", Part Number=CC0805_10UF_25V_10%_X5R, Pin Count=2, Sense=No, SMD=Yes, Socket=No, Status=Preferred, TC=X5R
C39 C41 C48 C49 C56: library part CTE3216-18_10UF_16V_20%_AVX_TCJ, "Polarised capacitor", Case=A, Manufacturer=AVX, Manufacturer Part Number="TCJA106M016R0200 or  or TR3A106K016C1700", Tolerance=±20%, Voltage=16V, Author="CERN DEM JLC", Component Type=Standard, ComponentHeight=1.8mm, CreateDate=29.03.2012, HelpURL=\\cern.ch\dfs\Applications\Altium\Datasheets\CTE_AVX_TCJ.pdf, LatestRevisionDate=29.03.2012, Mounted=Yes, Part Description="ESR 0R200 Tantalum Solid Electrolytic Chip Capacitor with Conductive Polymer Electrode", Part Number=CTE3216-18_10UF_16V_20%_AVX_TCJ, Pin Count=2, Sense=No, SMD=Yes, Socket=No, Status=Preferred
C43 C44 C45 C46 C52 C53 C54 C55: library part CC0805_22UF_16V_10%_X5R, "Non-polarised capacitor", Case=0805, Manufacturer=GENERIC, Manufacturer1 ComponentHeight=1.35mm, Manufacturer1 Example=TDK, Manufacturer1 Part Number=C2012X5R1C226KT, Tolerance=±10%, Voltage=16V, Author="CERN DEM JLC", Component Type=Standard, CreateDate=25.10.2012, HelpURL=\\cern.ch\dfs\Applications\Altium\Datasheets\CC0805_X5R_TDK_C.pdf, LatestRevisionDate=25.10.2012, Manufacturer Part Number=CC0805_22UF_16V_10%_X5R, Mounted=Yes, Part Description="SMD Multilayer Chip Ceramic Capacitor", Part Number=CC0805_22UF_16V_10%_X5R, Pin Count=2, Sense=No, SMD=Yes, Socket=No, Status=Preferred, TC=X5R
D1A D1B D1C D1D D1E D1F D1G D1H D2A D2B D2C D2D D2E D2F D2G D2H: "Diode", Case=SOD-323F, Manufacturer="FAIRCHILD SEMICONDUCTOR", Power=150mA, Voltage=75V, Author="CERN DEM JLC", Bonding=No, Component Type=Standard, ComponentHeight=1mm, CreateDate=12.05.2011, Device=1N4148WS, HelpURL=\\cern.ch\dfs\Applications\Altium\Datasheets\1N4148WS.pdf, LatestRevisionDate=12.05.2011, Manufacturer Part Number=1N4148WS, Mounted=Yes, PackageDescription="SODFL Diode (SOD323F); 1.70mm W X 1.25mm L X 1.00mm H body, IPC Medium Density", Part Description="Small Signal Diodes", Part Number=1N4148WS, Pin Count=2, PressFit=No, Sense=No, SMD=Yes, Socket=No
D3 D6: "Transient Voltage Suppressor Diode (Uni-Directional)", Case=DO-214AA, Manufacturer="FAIRCHILD SEMICONDUCTOR", Power=600W, Voltage=20V, Author="CERN DEM JLC", Bonding=No, Component Type=Standard, ComponentHeight=2.65mm, CreateDate=12.05.2009, Device=SMBJ20A, HelpURL=\\cern.ch\dfs\Applications\Altium\Datasheets\SMBJ.pdf, LatestRevisionDate=19.12.2011, Manufacturer Part Number=SMBJ20A, Mounted=Yes, PackageDescription="DO-214-AA/SMB Diode, Molded Body; 5.34mm L X 3.625mm W X 2.65mm H, IPC Medium Density", Part Description="Uni-Directional Transient Voltage Suppressor Diode", Part Number=SMBJ20A, Pin Count=2, PressFit=No, Sense=No, SMD=Yes, Socket=No
D4: "Transient Voltage Suppressor Diode (Uni-Directional)", Case=DO-214AC, Manufacturer=BOURNS, Power=400W, Voltage=5V, Author="CERN DEM MR", Bonding=No, Component Type=Standard, ComponentHeight=2.62mm, CreateDate=14.07.2016, Device=SMAJ5.0A, HelpURL=\\cern.ch\dfs\Applications\Altium\Datasheets\SMAJ5.0A.pdf, LatestRevisionDate=14.07.2016, Manufacturer Part Number=SMAJ5.0A, Mounted=Yes, PackageDescription="DO-214-AC/SMA Diode, Molded Body; 5.21mm L X 2.605mm W X 2.62mm H, IPC Medium Density", Part Description="Surface Mount Uni-directional Transient Voltage Suppressor Diode", Part Number=SMAJ5.0A, Pin Count=2, PressFit=No, Sense=No, SMD=Yes, Socket=No
D5 D7: "Schottky Diode", Case=SOD123, Manufacturer="NXP SEMICONDUCTORS", Power=2A, Voltage=60V, Author="CERN DEM JMW", Bonding=No, Component Type=Standard, ComponentHeight=0.65mm, CreateDate=19.06.2014, Device=PMEG6020ER, HelpURL=\\cern.ch\dfs\Applications\Altium\Datasheets\PMEG6020ER.pdf, LatestRevisionDate=19.06.2014, Manufacturer Part Number=PMEG6020ER, Mounted=Yes, PackageDescription="SODFL Diode (SOD123W); 2.60mm W X 1.70mm L X 1.10mm H body, IPC Medium Density", Part Description="MEGA Schottky Barrier Rectifier", Part Number=PMEG6020ER, Pin Count=2, PressFit=No, Sense=No, SMD=Yes, Socket=No
FTG1 FTG2 FTG3: library part FIDUCIAL_TARGET_S100-200, "Fiducial Target", Author="CERN DEM JLC", Component Type="Standard (No BOM)", ComponentHeight=0mm, CreateDate=9/2/2010, Family=Fiducial, LatestRevisionDate=4/4/2012, Mounted=No, PackageDescription="Square Fiducial Target, Top Layer, 1.0mm, Top Solder 2.0mm, Keepout =2.0mm", Part Description="Square Fiducial Target, Top Layer, 1.0mm, Top Solder 2.0mm, Keepout =2.0mm", Part Number=FIDUCIAL_TARGET_S100-200, Pin Count=1, SMD=Yes, Socket=No, Status=None, Table=Pads
IC1A IC1B IC1C IC1D IC1E IC1F IC1G IC1H IC2A IC2B IC2C IC2D IC2E IC2F IC2G IC2H IC3A IC3B IC3C IC3D IC3E IC3F IC3G IC3H: "Dual Operational Amplifier", Case=SOIC8, Manufacturer="TEXAS INSTRUMENTS", Author="CERN DEM MR", Bonding=No, Component Type=Standard, ComponentHeight=1.75mm, CreateDate=08.08.2019, Device=LM6172IM/NOPB, HelpURL=\\cern.ch\dfs\Applications\Altium\Datasheets\LM6172IM-NOPB.pdf, LatestRevisionDate=08.08.2019, Manufacturer Part Number=LM6172IM/NOPB, Mounted=Yes, PackageDescription="SOIC 8, Pitch 1.27mm - Body 4x5mm, IPC Medium Density", Part Description="Dual High Speed, Low Power, Low Distortion Voltage Feedback Amplifiers", Part Number=LM6172IM/NOPB, Pin Count=8, PressFit=No, Sense=No, SMD=Yes, Socket=No
IC4 IC5 IC6 IC8: "8-Bit Shift Register With 3-State Output Register", Case=TSSOP16, Manufacturer="TEXAS INSTRUMENTS", Author="CERN DEM JLC", Bonding=No, Component Type=Standard, ComponentHeight=1.2mm, CreateDate=10.05.2012, Device=SN74LV595APWT, HelpURL=\\cern.ch\dfs\Applications\Altium\Datasheets\SN74LV595APWT.pdf, LatestRevisionDate=10.05.2012, Manufacturer Part Number=SN74LV595APWT, Mounted=Yes, PackageDescription="SOP, 0.65mm pitch; 16 pin, 4.40mm W X 5.00mm L X 1.20mm H body IPC Medium Density", Part Description="8-Bit Shift Register With 3-State Output Register", Part Number=SN74LV595APWT, Pin Count=16, PressFit=No, Sense=No, SMD=Yes, Socket=No
IC7 IC11 IC13: "1.22V to 19V, 300mA, Low Noise, CMOS LDO Adjustable Linear Regulator", Case=SOIC8, Manufacturer="ANALOG DEVICES", Author="CERN DEM JLC", Bonding=No, Component Type=Standard, ComponentHeight=1.75mm, CreateDate=16.06.2014, Device=ADP7102ARDZ-R7, HelpURL=\\cern.ch\dfs\Applications\Altium\Datasheets\ADP7102ARDZ-R7.pdf, LatestRevisionDate=16.06.2014, Manufacturer Part Number=ADP7102ARDZ-R7, Mounted=Yes, PackageDescription="SOIC 8, Pitch 1.27mm - Body 3.9x4.9mm, (w/thermal tab 2.41mm X 3.098mm), IPC Medium Density", Part Description="1.22V to 19V, 300mA, Low Noise, CMOS LDO Adjustable Linear Regulator", Part Number=ADP7102ARDZ-R7, Pin Count=8, PressFit=No, Sense=No, SMD=Yes, Socket=No
IC9: "Single-Supply, Multichannel, 125kSPS, 24-Bit, Sigma-Delta ADC with ±10V Inputs", Case=QFN40, Manufacturer="ANALOG DEVICES", Author="CERN DEM BC", Bonding=No, Component Type=Standard, ComponentHeight=1.0mm, CreateDate=30.10.2020, Device=AD4115BCPZ, HelpURL=\\cern.ch\dfs\Applications\Altium\Datasheets\AD4115BCPZ.pdf, LatestRevisionDate=30.10.2020, Manufacturer Part Number=AD4115BCPZ, Mounted=Yes, PackageDescription="QFN, 0.50mm Pitch, Square; 40 Pin, 6.00mm L X 6.00mm W X 1.00mm H body (w/Thermal Tab 4.70 x 4.70mm), IPC Medium Density", Part Description="Single-Supply, Multichannel, 125kSPS, 24-Bit, Sigma-Delta ADC with ±10V Inputs", Part Number=AD4115BCPZ, Pin Count=41, PressFit=No, Sense=No, SMD=Yes, Socket=No
IC10: "2.5V Output, 1mV ±0.04% Accuracy, 4ppm/°C Ultralow Noise, High Accuracy Voltage References", Case=SOIC8, Manufacturer="ANALOG DEVICES", Author="CERN DEM BC", Bonding=No, Component Type=Standard, ComponentHeight=1.75mm, CreateDate=19.06.2020, Device=ADR4525ARZ, HelpURL=\\cern.ch\dfs\Applications\Altium\Datasheets\ADR4525ARZ.pdf, LatestRevisionDate=19.06.2020, Manufacturer Part Number=ADR4525ARZ, Mounted=Yes, PackageDescription="SOIC 8, Pitch 1.27mm, Body 4x5mm, IPC Medium Density", Part Description="2.5V Output, 1mV ±0.04% Accuracy, 4ppm/°C Ultralow Noise, High Accuracy Voltage References", Part Number=ADR4525ARZ, Pin Count=8, PressFit=No, Sense=No, SMD=Yes, Socket=No
IC12: "20V, 500mA, Ultralow Noise, Ultrahigh PSRR Linear Regulator", Case=SON10, Manufacturer="LINEAR TECHNOLOGY", Author="CERN DEM JLC", Bonding=No, Component Type=Standard, ComponentHeight=0.8mm, CreateDate=07.12.2016, Device=LT3045EDD#PBF, HelpURL=\\cern.ch\dfs\Applications\Altium\Datasheets\LT3045EDD#PBF.pdf, LatestRevisionDate=07.12.2016, Manufacturer Part Number=LT3045EDD#PBF, Mounted=Yes, PackageDescription="SON, 0.50mm Pitch; 10-pin, 3.00mm W  X 3.00mm L X 0.80mm H Body, (w/thermal tab 1.75 X 2.48 mm), IPC Medium Density", Part Description="20V, 500mA, Ultralow Noise, Ultrahigh PSRR Linear Regulator", Part Number=LT3045EDD#PBF, Pin Count=11, PressFit=No, Sense=No, SMD=Yes, Socket=No
IC14: "-20V, 500mA, Ultralow Noise, Ultrahigh PSRR Negative Linear Regulator", Case=SON12, Manufacturer="LINEAR TECHNOLOGY", Author="CERN DEM JLC", Bonding=No, Component Type=Standard, ComponentHeight=0.8mm, CreateDate=12.11.2018, Device=LT3094EDD#PBF, HelpURL=\\cern.ch\dfs\Applications\Altium\Datasheets\LT3094EDD#PBF.pdf, LatestRevisionDate=12.11.2018, Manufacturer Part Number=LT3094EDD#PBF, Mounted=Yes, PackageDescription="SON, 0.45mm Pitch; 12 Pin, 3.00mm W X 3.00mm L X 0.80mm H Body (w/Thermal tab 1.75 x 2.48mm), IPC Medium Density", Part Description="-20V, 500mA, Ultralow Noise, Ultrahigh PSRR Negative Linear Regulator", Part Number=LT3094EDD#PBF, Pin Count=13, PressFit=No, Sense=No, SMD=Yes, Socket=No
J1: library part AMPHENOL_M8AS-04PMMR-SF8001, "Connector 4 Male + Shield", Manufacturer=AMPHENOL, Manufacturer Part Number=M8AS-04PMMR-SF8001, Author="CERN DEM MR", Component Type=Standard, ComponentHeight=12.65mm, CreateDate=08.04.2019, Family=M8, HelpURL=\\cern.ch\dfs\Applications\Altium\Datasheets\AMPHENOL_M8AS-04PMMR-SF8001.pdf, LatestRevisionDate=08.04.2019, Mounted=Yes, Part Description="4 Contacts,  IP68 Sealing Level, Right Angled M8 Circular Header", Part Number=AMPHENOL_M8AS-04PMMR-SF8001, Pin Count=6, PressFit=No, Sense=No, SMD=No, Socket=No, Status=None
J2A J2B: library part MOLEX_75783-0107, "36 Circuit, Right Angle , Internal Assembly, iPass™ I/O Surface Mount Receptacle with Left Key Shell", Manufacturer=MOLEX, Manufacturer Part Number="75783-0107 / 75783-0136", Part Number="MOLEX 75783-0107 / 75783-0136", Author="CERN DEM JLC", Component Type=Standard, ComponentHeight=8.47mm, CreateDate=12.11.2014, Family=iPass™, HelpURL=\\cern.ch\dfs\Applications\Altium\Datasheets\MOLEX_75783-0107.pdf, LatestRevisionDate=12.11.2014, Mounted=Yes, Part Description="36 Circuit, Right Angle , Internal Assembly, iPass™ I/O Surface Mount Receptacle with Left Key Shell", Pin Count=42, PressFit=No, Sense=No, SMD=Yes, Socket=No, Status=None
J3: library part TYCO_3-1634586-2, "Connector D-sub 25 Female", Manufacturer="TYCO ELECTRONICS", Manufacturer Part Number=3-1634586-2, Author="CERN DEM JLC", Component Type=Standard, ComponentHeight=13.57mm, CreateDate=16.01.2013, Family=D-Sub, HelpURL=\\cern.ch\dfs\Applications\Altium\Datasheets\TYCO_3-1634586-2.pdf, LatestRevisionDate=16.01.2013, Mounted=Yes, Part Description="Right Angle 25 Female Contacts D-SUB Connector With Boardlock and 4-40 UNC Screwlocks", Part Number=TYCO_3-1634586-2, Pin Count=27, PressFit=No, Sense=No, SMD=No, Socket=No, Status=None
L1A L1B L1C L1D L1E L1F L1G L1H L2A L2B L2C L2D L2E L2F L2G L2H L5 L7: library part IND0603_MURATA_BLM18PG121SN1D, "Inductor", Case=0603, Manufacturer=MURATA, Manufacturer Part Number=BLM18PG121SN1D, Power=2A, Resistance=0.05R, Author="CERN DEM BC", Component Type=Standard, ComponentHeight=0.95mm, CreateDate=27.07.2015, HelpURL=\\cern.ch\dfs\Applications\Altium\Datasheets\IND0603_MURATA_BLM18P.pdf, LatestRevisionDate=27.07.2015, Mounted=Yes, Part Description="SMD EMIFIL Chip Ferrite Bead", Part Number=IND0603_MURATA_BLM18PG121SN1D, Pin Count=2, Sense=No, SMD=Yes, Socket=No, Status=None
L3 L4 L6: library part IND1210_10UH_20%_MURATA_LQW32FT100M0H, "Inductor With Core", Case=1210, Manufacturer=MURATA, Manufacturer Part Number=LQW32FT100M0H, Power=500mA, Resistance=0R4, Tolerance=±20%, Author="CERN DEM BC", Component Type=Standard, ComponentHeight=2.5mm, CreateDate=18.05.2020, HelpURL=\\cern.ch\dfs\Applications\Altium\Datasheets\IND_MURATA_LQW32FT100M0H.pdf, LatestRevisionDate=18.05.2020, Mounted=Yes, Part Description="Wide Frequency Band, High Inductance, For Power Line", Part Number=IND1210_10UH_20%_MURATA_LQW32FT100M0H, Pin Count=2, Sense=No, SMD=Yes, Socket=No, Status=None
LD1 LD2 LD3 LD4 LD5: library part LED_BIVAR_H485CGDL, "LED x4 Green 1C2A-BOT_3C4A_5C6A_7C8A-TOP", Manufacturer=BIVAR, Manufacturer Part Number=H485CGDL, Author="CERN DEM JLC", Bonding=No, Color=Green, Component Type=Standard, ComponentHeight=11.3mm, CreateDate=04.06.2012, HelpURL=\\cern.ch\dfs\Applications\Altium\Datasheets\LED_BIVAR_H485CGDL.pdf, LatestRevisionDate=04.06.2012, Mounted=Yes, PackageDescription="Quad-Level 2mm Green, PCB Edge Mounting  BIVAR H485CHDL", Part Description="Quad-Level 2mm Green LED, PCB Edge Mounting", Part Number=LED_BIVAR_H485CGDL, Pin Count=8, PressFit=No, Sense=No, SMD=No, Socket=No
R1A R1B R1C R1D R1E R1F R1G R1H R2A R2B R2C R2D R2E R2F R2G R2H R3A R3B R3C R3D R3E R3F R3G R3H R5A R5B R5C R5D R5E R5F R5G R5H R7A R7B R7C R7D R7E R7F R7G R7H R8A R8B R8C R8D R8E R8F R8G R8H R9A R9B R9C R9D R9E R9F R9G R9H R10A R10B R10C R10D R10E R10F R10G R10H R11A R11B R11C R11D R11E R11F R11G R11H R13A R13B R13C R13D R13E R13F R13G R13H R15A R15B R15C R15D R15E R15F R15G R15H R16A R16B R16C R16D R16E R16F R16G R16H: library part R0603_2K21_0.1%_0.063W_10PPM, "Resistor - 0.1%", Case=0603, Manufacturer=GENERIC, Manufacturer1 ComponentHeight=0.5mm, Manufacturer1 Example="TYCO HOLSWORTHY", Manufacturer1 Part Number=RN73C1J2K21BTDF, Power=0.063W, Tolerance=±0.1%, Author="CERN DEM JLC", Component Type=Standard, CreateDate=03.12.2007, HelpURL=\\cern.ch\dfs\Applications\Altium\Datasheets\R0603_Tyco_RN73.pdf, LatestRevisionDate=13.03.2008, Manufacturer Part Number=R0603_2K21_0.1%_0.063W_10PPM, Mounted=Yes, Part Description="Thin Film Chip Resistor", Part Number=R0603_2K21_0.1%_0.063W_10PPM, Pin Count=2, PressFit=No, Sense=No, SMD=Yes, Socket=No, Status="Not Recommended", TC=±10ppm